# KiCad board ETH1CLCR2.kicad_pcb (continued)
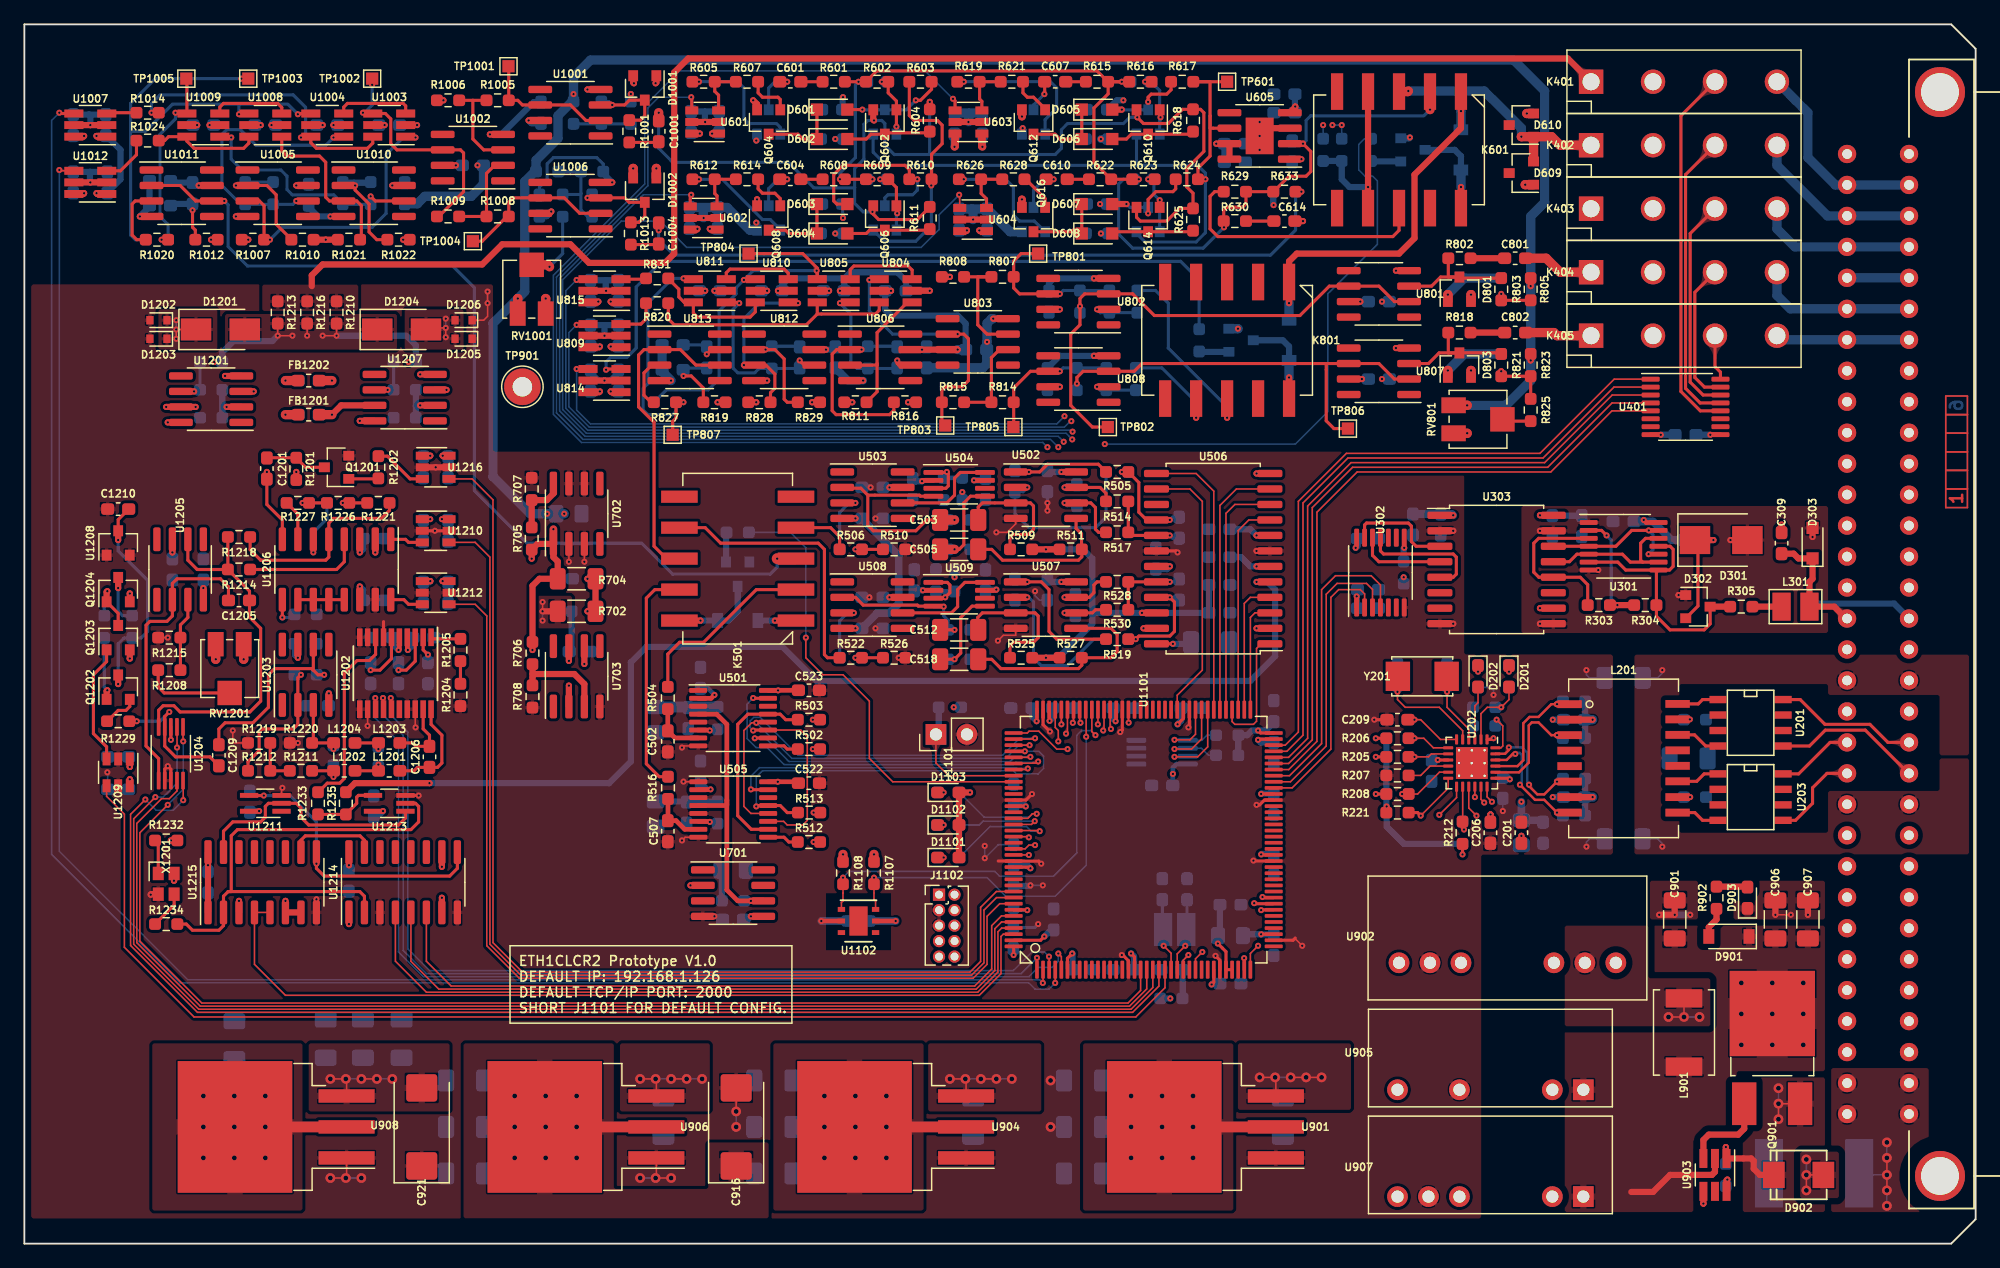
[diagram p0: board, top side]
## Nets (continued)
Net-(R1232-Pad2): R1232.2 X1201.1
Net-(R1233-Pad2): R1233.2 R1235.2 U1213.4
Net-(R1234-Pad1): R1234.1 U1213.2 U1214.2 U1215.2
Net-(R1234-Pad2): R1234.2 X1201.3
Net-(U302-Pad11): U302.11 U303.5
Net-(U302-Pad12): U302.12 U303.4
Net-(U302-Pad13): U302.13 U303.3
Net-(U503-Pad6): U503.6 U504.8
Net-(U508-Pad6): U508.6 U509.8
Net-(U804-Pad3): U804.3 U805.3
Net-(U810-Pad3): U810.3 U811.3
Net-(U1003-Pad3): U1003.3 U1004.3
Net-(U1008-Pad3): U1008.3 U1009.3
Net-(U1206-Pad10): U1206.10 U1206.11 U1206.12 U1206.13
Net-(U1211-Pad2): U1211.2 U1213.1 U1215.15
Net-(U1211-Pad4): U1211.4 U1214.9 U1215.9
Net-(U1214-Pad15): U1214.15 U1215.10

Pads without a net: D609 3; D610 3; J401 1 A1 A8 A9 A10 A11 A12 A13 A14 A15 A17 A19 A23 A24 A25 A26 A29 A30 C1 C8 C9 C10 C11 C12 C13 C14 C15 C17 C19 C23 C24 C25 C26 C29 C30; J1102 6 7 8 9; K501 5 6; K601 5 6 9; K801 2 3 4 5 6 9; L201 4 5 12 13; U201 2 3 6 7; U203 2 3 6 7; U302 5 6 9 10; U303 6 7 11; U401 6 7 10 11; U501 14; U503 1 5 8; U504 6; U505 14; U506 15; U508 1 5 8; U509 6; U605 5; U701 1 3 7 8; U702 4 5; U703 1 5 8; U801 1 5 8; U802 1 5 8; U803 1 5 8; U806 1 5 8; U807 1 5 8; U808 1 5 8; U812 1 5 8; U813 1 5 8; U902 3 8; U903 5; U1001 1 5 8; U1002 1 5 8; U1005 1 5 8; U1006 1 5 8; U1010 1 5 8; U1011 1 5 8; U1101 7 8 9 10 11 12 13 14 15 26 28 29 34 37 40 41 42 46 47 48 49 50 53 54 55 56 57 58 59 60 86 87 88 89 90 91 92 118 119 122 127 132 133 134; U1102 3 4 7; U1201 1 5; U1202 16; U1203 1 5 8; U1205 1 5 8; U1207 1 5; U1211 1; U1214 11 12 13 14; U1215 11 12 13 14

## Via types
v1: diameter 0.5, hole 0.2, Top to Bottom, 635 vias
v2: diameter 0.8, hole 0.4, Top to Bottom, 89 vias

## Routing (per net, layer and track width the routed paths; a pad name or vN(x,y) marks a point on that pad's centre or on a via; arc(x,y) is an arc through that point)
+1V5: length 11.4
  Top w0.508: R1007.2 v1(18.36,82.34) ; R828.2 v1(60.02,69.01) ; 44.65,44.05 v1(44.65,45.77) ; U703.6 v1(45.92,47.54) ; R1010.2 v1(24.71,82.34) R1021.2 ; R808.1 v1(75.89,79.29) ; R816.2 v1(72.46,69.01) ; R811.2 v1(67.89,69.01) ; R829.2 v1(64.59,69.01) ; R1006.1 v1(34.36,93.77) ; R1022.2 v1(31.06,82.34)
  Bottom w0.508: R535.2 v1(76.27,54.66) ; R533.2 v1(76.91,61.64)
+3.3VP: length 173
  Top w0.508: v1(41.66,48.69) R706.1 41.66,53.96 42.23,54.53 R704.1 43.73,55.95 43.38,56.31 U702.1 42.07,57.39 R705.1 v1(41.6,56.18) ; R823.1 v1(123.51,72.44) ; R805.1 v1(123.51,78.53)
  Top w0.634: U702.1 v1(43.38,58.59)
  Top w0.761: RV1001.1 40.45,77.51 v1(40.46,77.52) ; RV801.1 118.3,68.76 v1(118.31,68.75)
  Bottom w0.761: C705.1 41.47,59.86 38.42,62.91 38.42,75.48 v1(40.46,77.52) 41.03,78.09 41.03,87.1 41.85,87.93 R1018.1 41.96,88.86 43.76,90.66 43.76,92.51 44.91,93.67 R1004.1 v1(45.03,94.28) 45.03,95.68 46.43,97.07 122.12,97.07 124.66,94.53 124.66,85.39 123.51,84.25 v1(123.51,78.53) v1(123.51,72.44) 123.51,70.78 121.48,68.75 v1(118.31,68.75) ; C705.1 v1(42.87,59.86) ; C705.1 v1(44.27,59.86)
+3V3: length 143.5
  Top w0.127: U901.2 93.54,9.57 ; v1(42.49,51.86) v1(42.49,52.62)
  Top w0.254: v1(29.41,35.48) 29.39,35.46 U1213.5 ; v1(90.75,23.8) 91.03,23.51 U1101.17 ; U202.9 115.9,39.67 v1(115.9,39.67) ; v1(82.11,35.86) 82.09,35.88 U1101.121 ; U1101.95 89.53,42.9 v1(89.48,42.84) ; U1101.39 101.42,25.38 v1(101.41,25.37) ; v1(101.42,36.88) 101.42,36.88 U1101.62 ; U1101.131 82.4,30.88 v1(82.49,30.78) ; U1101.108 83.03,42.87 v1(83,42.84) ; v1(97.35,21.25) 97.53,21.43 U1101.30 ; U1204.8 12.01,41.33 v1(12.01,41.32) ; U1210.6 34.24,59.42 v1(34.23,59.42) ; v1(101.16,42.08) 101.37,41.88 U1101.72 ; U1101.6 85.53,23.4 v1(85.92,23.8) ; v1(19.25,35.48) 19.23,35.46 U1211.5 ; U1101.84 95.03,43.06 v1(94.56,42.59) ; R221.1 111.68,35.84 v1(111.7,35.86) ; U1101.143 83.32,24.88 v1(83.64,25.19) ; U1101.144 81.12,23.67 v1(81.11,23.67) ; v1(101.42,31.92) 101.46,31.88 U1101.52
  Top w0.381: U505.16 v1(61.78,37.88) 63.35,37.88 C522.1 ; R503.1 v1(64.65,42.97) ; C523.1 61.81,45.39 v1(61.8,45.37) U501.16 ; R502.1 v1(64.65,40.56) ; v1(30.68,48.69) 30.75,48.76 30.75,49.73 ; U302.1 v1(109.25,53.09) ; U1102.5 v1(71.44,26.46) ; R513.1 v1(64.71,35.35) ; R512.1 v1(64.71,32.94)
  Top w0.508: v1(8.64,38.08) U1209.6 ; v1(4.9,86.15) 4.84,86.09 4.06,86.09 ; U506.12 v1(101.04,63.17) ; U1214.7 v1(34.23,28.37) ; v1(47.19,73.58) 47.13,73.52 U809.6 ; R702.1 v1(42.49,51.86) ; R1232.1 v1(12.01,33.07) ; U814.6 47.13,69.83 v1(47.19,69.9) ; U1214.16 v1(26.61,31.03) ; v1(77.54,37) D1103.2 D1102.2 D1101.2 ; U1007.6 4.84,90.79 v1(4.9,90.85) ; v1(12.26,29.76) 12.28,29.78 X1201.4 ; U1214.1 v1(26.61,26.21) ; U601.6 v1(55.38,91.04) ; U1215.1 v1(15.06,31.03) U1215.16 ; v1(55.19,83.23) 55.13,83.17 54.6,83.17 ; U1212.6 v1(34.3,54.34) ; U815.6 47,77.2 v1(47.06,77.26) ; U1215.3 v1(17.6,28.11) ; U506.2 v1(101.04,50.47) ; U604.6 77.23,83.04 v1(77.29,83.1) ; U1215.7 U1215.6 v1(21.41,28.11) ; U1216.6 v1(34.3,64.62) ; 102.13,58.08 v1(101.04,58.08) ; U1214.10 v1(34.23,30.91) ; C201.1 v1(122.75,33.45) ; U506.6 v1(101.04,55.55)
  Top w0.634: v1(76.27,89.96) 76.31,90 U603.6
  Top w0.761: R1108.1 v1(67.13,31.92) ; R1107.1 v1(69.67,31.92)
  Top w0.889: U901.2 U901.2
  Bottom w0.127: v1(42.49,51.86) v1(42.49,51.1) ; C1223.1 v1(26.61,31.03)
  Bottom w0.254: v1(34.23,59.42) 34.65,59.42 C1230.1
  Bottom w0.381: C1108.1 94.17,38.52 v1(94.18,38.53) 94.18,39.03 94.47,39.33 U1103.8 ; C302.1 109.32,53.02 v1(109.25,53.09) 109.32,53.16 C301.1
  Bottom w0.508: v1(101.04,58.08) 100.53,58.59 C536.1 ; v1(47.06,77.26) 46.45,77.26 C819.1 ; R1110.1 R1109.1 100.27,41.7 100.66,42.08 v1(101.16,42.08) 101.8,42.08 102.45,42.73 C1117.1 ; v1(55.19,83.23) 54.58,83.23 C620.1 ; v1(55.38,91.04) 54.77,91.04 C621.1 ; FB1101.2 100.03,25.37 v1(101.41,25.37) 101.43,25.36 C1120.1 ; C1114.1 82.02,35.95 v1(82.11,35.86) ; v1(94.56,42.59) 94.86,42.89 C1118.1 ; v1(89.48,42.84) 89.27,43.06 C1110.1 ; C1113.1 84.17,25.73 v1(83.64,25.19) ; C820.1 46.45,73.58 v1(47.19,73.58) ; C1119.1 82.28,31 v1(82.49,30.78) ; C1106.1 101.45,31.96 v1(101.42,31.92) ; v1(97.35,21.25) 97.42,21.32 C1116.1 ; C202.1 115.87,39.64 v1(115.9,39.67) ; C1226.1 18.59,35.48 v1(19.25,35.48) ; C1232.1 8.64,37.34 v1(8.64,38.08) ; C622.1 76.68,83.1 v1(77.29,83.1) ; C1229.1 34.39,64.54 v1(34.3,64.62) ; v1(15.06,31.03) C1224.1 ; R301.1 v1(113.1,54.66) ; C1111.1 90.99,23.55 v1(90.75,23.8) ; v1(122.75,33.45) FB201.2 ; C1227.1 30.14,49.22 v1(30.68,48.69) ; C818.1 46.45,69.9 v1(47.19,69.9) ; v1(34.3,54.34) 34.65,54.34 C1228.1 ; C1018.1 4.03,86.15 v1(4.9,86.15) ; C1115.1 101.45,36.91 v1(101.42,36.88) ; R218.1 R217.1 R219.1 111.68,35.88 v1(111.7,35.86) 111.7,34.21 113.12,32.79 R220.1 ; C535.1 99.77,56.31 100.53,55.55 v1(101.04,55.55) ; v1(83,42.84) 82.61,43.24 C1121.1 ; R1104.1 v1(93.96,20.11) ; v1(85.92,23.8) 85.95,23.77 C1109.1 ; R1106.2 v1(76.21,43.99) ; v1(4.9,90.85) 4.03,90.85 C1019.1 ; v1(29.41,35.48) 28.93,35 C1225.1
  Bottom w0.634: C1107.1 v1(71.44,26.46) ; v1(76.27,89.96) C619.1
  vias: v2(90.75,12.11) v2(90.75,9.57) v2(90.75,7.03) v2(93.29,12.11) v2(93.29,9.57) v2(93.29,7.03) v2(95.83,12.11) v2(95.83,9.57) v2(95.83,7.03)
+4V: length 23.9
  Top w0.381: 57.6,36.37 57.6,35.99 57.55,35.93 U505.4 ; 57.6,36.37 57.6,42.59 56.77,43.42 U501.4 ; 57.6,36.37 57.6,29 58.49,28.11 U701.6
  Top w0.508: U701.6 v1(59.57,28.11)
  Bottom w0.508: v1(59.57,28.11) R701.1
+5V: length 84.5
  Top w0.254: v1(33.28,59.42) 33.28,59.42 U1210.1 ; U302.14 109.25,57.15 v1(109.16,57.07)
  Top w0.381: v1(138.25,66.34) 138.26,66.35 U401.9 ; U505.2 56.24,37.23 v1(56.27,37.26) ; v1(56.59,45) 56.31,44.72 U501.2
  Top w0.508: U1216.1 v1(33.28,64.62) ; v1(5.91,90.85) 5.97,90.79 U1007.1 ; v1(48.08,69.9) 48.14,69.83 U814.1 ; U602.1 56.27,83.17 v1(56.2,83.23) ; v1(8.64,39.1) U1209.1 ; U303.1 v1(117.16,59.74) ; U506.19 v1(93.92,55.55) ; U809.1 48.14,73.52 v1(48.08,73.58) ; v1(103.7,77.13) K801.1 103.7,80.56 104.34,81.2 112.72,81.2 113.99,82.47 113.99,87.68 117.8,91.49 v1(117.8,92.88) K601.1 ; U701.2 v1(54.62,29.38) ; 6.75,86.09 5.97,86.09 v1(5.91,86.15) ; U815.1 48.14,77.2 v1(48.08,77.26) ; v1(78.3,83.1) 78.36,83.04 78.9,83.04 ; U1212.1 v1(33.28,54.34) ; K501.1 v1(61.54,51.1) ; U601.1 v1(56.39,91.04)
  Top w0.634: U603.1 78.51,90 v1(78.56,89.96)
  Top w0.889: U904.2 U904.2
  Bottom w0.254: v1(33.28,59.42) 32.8,59.42 C1221.1
  Bottom w0.381: C520.1 56.05,45.54 v1(56.59,45) ; C521.1 56.04,37.26 v1(56.27,37.26)
  Bottom w0.508: 48.74,77.26 C821.1 48.69,77.26 v1(48.08,77.26) ; v1(33.28,54.34) 33.2,54.25 C1220.1 ; v1(78.3,83.1) 78.91,83.1 C617.1 ; v1(56.2,83.23) 56.81,83.23 C618.1 ; v1(48.08,69.9) 48.69,69.9 C823.1 ; v1(5.91,86.15) 6.78,86.15 C1016.1 6.8,86.22 7.88,87.3 7.88,89.71 6.71,90.88 C1017.1 6.65,90.85 v1(5.91,90.85) ; C401.1 v1(138.25,66.34) ; v1(8.64,39.1) 8.64,39.84 C1231.1 ; C616.1 56.88,91.04 v1(56.39,91.04) ; v1(61.54,51.1) D501.1 ; C534.1 93.7,55.32 v1(93.92,55.55) ; C822.1 48.69,73.58 v1(48.08,73.58) ; C303.1 109.32,57.22 v1(109.16,57.07) ; C1222.1 33.19,64.54 v1(33.28,64.62)
  Bottom w0.634: v1(117.16,59.74) 117.06,59.84 C305.1 C304.1 ; C615.1 v1(78.56,89.96)
  Bottom w0.761: D611.1 v1(117.8,92.88) ; 103.7,75.74 v1(103.7,77.13)
  vias: v2(65.6,12.11) v2(65.6,9.57) v2(65.6,7.03) v2(68.14,12.11) v2(68.14,9.57) v2(68.14,7.03) v2(70.68,12.11) v2(70.68,9.57) v2(70.68,7.03)
+5V_TRIG: length 12.3
  Top w0.381: v1(132.79,59.36) 133,59.15 U301.14
  Top w0.508: U303.10 v1(124.28,52.12) ; U303.16 v1(124.28,59.74)
  Bottom w0.381: v1(132.79,59.36) 132.66,59.23 C306.1
  Bottom w0.508: C307.1 C308.1 125.27,59.74 v1(124.28,59.74)
  Bottom w0.634: C306.1 133.55,59.23 135.07,57.7 R302.1
+5VA: length 98.2
  Top w0.127: v1(12.45,74.21) v1(12.45,74.98) D1201.1
  Top w0.381: U504.2 73.68,62.6 v1(73.6,62.53) ; U1202.4 31.4,48.73 v1(31.44,48.69) ; v1(73.67,53.58) U509.2
  Top w0.508: U808.7 v1(84.91,70.28) ; U1010.7 v1(30.17,86.79) ; U1005.7 v1(22.3,86.79) ; R819.2 v1(56.84,69.01) ; U805.5 v1(65.98,78.15) ; Q608.2 60.08,85.64 v1(60.08,85.64) ; R1012.2 v1(15.31,82.34) ; U1003.5 v1(29.53,91.74) ; v1(76.53,73.33) U803.7 U806.7 v1(73.6,73.33) ; U810.5 v1(60.9,78.15) ; U1008.5 v1(19.38,91.74) ; U801.7 v1(109.54,77.26) ; U804.5 v1(71.06,78.15) ; v1(59.76,93.77) 60.08,93.45 Q604.2 ; U507.8 v1(85.03,54.28) ; U1206.14 v1(27.5,53.89) ; U1004.5 v1(24.45,91.74) ; U1207.8 v1(27.5,67.48) ; U1206.2 v1(28.77,56.69) ; U1205.7 v1(12.14,56.69) ; U503.7 v1(70.94,62.02) ; U1203.7 v1(22.42,48.05) ; v1(43.2,84.65) 43.06,84.5 42.3,84.5 ; D1001.2 49.92,95.23 v1(49.98,95.17) ; U811.5 v1(55.82,78.15) ; U807.7 v1(109.67,70.91) ; Q1203.2 v1(8.64,47.99) ; U1001.7 v1(41.35,92.12) ; U1009.5 v1(14.17,91.74) ; U1002.7 v1(35.38,88.44) ; v1(97.73,90.22) U605.7 U605.8 ; U812.7 v1(65.73,73.33) ; R1201.1 v1(22.3,63.29) ; U802.7 v1(84.91,76.63) ; 72.01,53 v1(70.94,53) ; U502.8 v1(85.03,63.29) ; U1201.8 v1(11.75,67.36)
  Top w0.634: Q612.2 v1(81.8,92.44) ; Q616.2 81.8,85.64 v1(81.8,85.64)
  Top w0.761: D1002.2 v1(49.92,88.18) ; D803.2 v1(118.62,71.61) ; v1(118.62,77.84) D801.2 ; v1(21.41,67.99) FB1201.1 ; RV1201.1 17.98,47.93 v1(17.98,47.92)
  Top w0.889: U906.2 U906.2
  Bottom w0.127: v1(12.45,74.98) v1(12.45,75.74)
  Bottom w0.254: v1(65.98,78.15) C815.1 ; v1(60.9,78.15) C811.1 ; v1(55.82,78.15) C817.1
  Bottom w0.508: C526.1 73.01,53.58 v1(73.67,53.58) ; v1(29.53,91.74) C1007.1 ; v1(30.17,86.79) 30.96,86.79 C1013.1 ; v1(84.91,76.63) 84.25,76.63 C809.1 ; C1214.1 27.78,53.61 v1(27.5,53.89) ; C528.1 v1(70.94,62.02) ; v1(85.03,63.29) 83.99,63.29 C524.1 ; v1(43.2,84.65) 42.83,84.27 C1009.1 ; C810.1 84.12,70.28 v1(84.91,70.28) ; C1212.1 22.2,48.28 v1(22.42,48.05) ; v1(24.45,91.74) C1008.1 ; C813.1 77.19,75.46 76.53,76.12 71.06,76.12 70.58,76.6 C814.1 v1(71.06,78.15) ; C808.1 v1(109.54,77.26) ; C1015.1 41.57,91.89 v1(41.35,92.12) ; v1(97.73,90.22) C623.1 C625.1 ; v1(19.38,91.74) C1012.1 ; v1(12.14,56.69) C1213.1 ; v1(14.17,91.74) C1011.1 ; C527.1 84.12,54.28 v1(85.03,54.28) ; v1(22.3,86.79) 23.21,86.79 C1010.1 ; C816.1 73.76,73.33 v1(73.6,73.33) ; v1(109.67,70.91) C807.1 ; v1(73.6,62.53) 73.07,62.53 C525.1 ; C812.1 66.26,73.33 v1(65.73,73.33) ; v1(70.94,53) C529.1 ; C1014.1 v1(35.38,88.44) ; v1(31.44,48.69) 31.85,49.09 C1211.1
  Bottom w0.761: C1215.1 v1(21.41,67.99) ; C813.1 v1(76.53,73.33)
  vias: v2(40.2,12.11) v2(40.2,9.57) v2(40.2,7.03) v2(42.74,12.11) v2(42.74,9.57) v2(42.74,7.03) v2(45.28,12.11) v2(45.28,9.57) v2(45.28,7.03)
+24V: length 7.5
  Top w0.127: v2(152.72,7.03) v2(152.72,5.63) v2(152.72,4.36)
  Bottom w0.127: 150.46,5.63 v2(152.72,5.63) ; v2(152.72,7.03) v2(152.72,8.3) ; v2(152.72,4.36) v2(152.72,3.09)
-5VA: length 43.6
  Top w0.127: v1(34.55,74.34) v1(34.55,75.1) 32.93,75.1 ; v2(25.09,13.51) v2(26.36,13.51) 26.42,13.45 U908.3 ; v2(27.63,13.51) v2(28.9,13.51)
  Top w0.381: v1(79.7,53.64) 79.64,53.58 U509.7 ; U504.7 v1(77.87,62.6)
  Top w0.508: U508.4 v1(68.14,50.47) ; U503.4 v1(68.14,59.48) ; v1(8.64,53.32) Q1204.2 ; U1205.4 v1(14.68,53.77) ; v1(104.21,93.26) 104.21,93.2 U605.4 ; U1203.4 v1(24.96,45.13) ; U1206.3 v1(27.5,56.69)
  Top w0.761: RV1201.3 15.69,47.93 v1(15.69,47.92) ; FB1202.1 v1(21.41,70.78)
  Bottom w0.127: v1(34.55,75.1) v1(34.55,75.86) ; v2(26.36,13.51) v2(27.63,13.51) ; v2(28.9,13.51) v2(30.17,13.51)
  Bottom w0.508: R627.2 v1(88.27,82.85) ; v1(77.87,62.6) 78.65,62.6 C530.1 ; C626.1 104.18,93.29 v1(104.21,93.26) 104.18,93.24 C624.1 104.15,92.72 ; v1(24.96,45.13) 24.96,44.14 C1216.1 ; v1(68.14,59.48) C533.1 ; v1(14.68,53.77) C1217.1 ; C1218.1 27.78,56.97 v1(27.5,56.69) ; v1(79.7,53.64) 78.91,53.64 C532.1 ; v1(66.49,90.6) R606.2 67.06,90.6 ; R613.2 v1(66.49,82.85) ; v1(68.14,50.47) C531.1
  Bottom w0.634: C533.1 68.68,59.46 71.7,56.43 71.7,52.5 70.94,51.73 69.95,51.73 C531.1 ; R620.2 v1(88.27,90.6)
  Bottom w0.761: C1219.1 v1(21.41,70.78)
GND: length 301.2
  Top w0.127: 104.21,25.06 104.21,25 v1(104.78,24.43) ; U501.8 54.06,40.82 v1(53.92,40.69) ; R1220.2 v1(22.42,41.07) ; U908.1 26.42,5.44 v2(26.36,5.38) v2(25.09,5.38) ; 55.26,33.33 54.18,33.33 v1(53.92,33.07) ; v2(53.03,5.38) v2(51.76,5.38) 51.82,5.44 U906.1 ; U1202.18 32.05,42.36 v1(32.08,42.34) ; U702.3 v1(45.92,55.93) ; v1(79.7,58.34) 80.59,58.34 81.29,59.04 81.29,59.48 ; U1211.3 21.09,37.32 v1(21.15,37.38) ; U1202.12 28.15,42.47 v1(28.14,42.46) ; U505.1 54.06,37.88 v1(54.05,37.89) ; U701.4 v1(56.59,26.84) ; R510.1 v1(72.84,56.94) ; 81.29,50.47 81.29,49.89 80.27,49.89 v1(79.83,49.45) ; U702.2 v1(44.65,55.93) ; D1206.1 37.66,75.74 37.98,76.06 v1(37.98,77.13) v1(37.98,78.09) ; v1(17.09,42.08) 17.09,41.07 R1219.2 ; R1215.2 v1(11.75,49.7) ; C916.2 v2(58.36,10.84)
  Top w0.254: v1(97.67,23.6) 98.03,23.24 U1101.31 ; U1210.2 v1(33.66,58.47) U1210.5 ; v1(83.89,60.75) v1(83.89,60.12) ; U1101.38 104.03,24.88 104.21,25.06 ; U1101.83 95.53,42.42 v1(95.45,42.34) ; U1204.3 12.01,38.91 v1(11.75,39.16) 11.51,38.92 U1204.2 ; v1(82.62,36.88) 82.13,36.38 U1101.120 ; U1101.94 90.03,42.13 v1(89.86,41.96) ; U1101.61 101.68,36.38 101.29,35.99 v1(101.04,35.99) ; 79.86,31.38 U1101.130 81.13,31.37 83.17,31.37 v1(83.38,31.16) ; U1101.107 83.53,42.56 v1(84.09,42) ; U1215.8 v1(23.95,28.24) ; U1010.4 v1(25.09,84.25) ; C209.2 v1(110.69,42.97) ; U813.4 v1(53.03,70.78) ; U1003.2 v1(32.2,91.74) ; v1(32.33,36.75) 32.31,36.76 U1213.3 ; U1101.16 90.53,23.2 90.07,23.67 v1(89.99,23.67) ; 29.45,49.73 29.45,51.01 ; U1101.51 100.82,31.38 v1(100.78,31.42) ; v1(94.56,56.69) 94.43,56.81 U506.18
  Top w0.381: v1(134.18,66.34) 134.17,66.35 U401.8 ; U1102.2 v1(65.35,26.46)
  Top w0.508: U1012.5 v1(5.41,87.04) U1012.2 ; U801.4 v1(112.47,79.8) ; 54.6,84.12 v1(55.7,84.12) U602.2 ; 78.9,83.99 v1(77.79,83.99) U604.5 ; U812.4 v1(60.9,70.78) ; U1216.2 v1(33.73,63.67) U1216.5 ; 80.65,75.86 v1(79.45,75.86) ; U809.5 v1(47.57,74.47) U809.2 ; X1201.2 10.4,28.66 v1(10.36,28.62) ; U806.4 v1(68.78,70.78) ; U601.5 v1(55.82,91.99) U601.2 ; U1009.2 v1(15.18,91.74) ; U1007.2 v1(5.41,91.74) U1007.5 ; 47.25,87.04 v1(48.2,87.04) ; v1(74.24,78.15) U804.2 ; v1(51.76,95.17) 51.82,95.23 D1001.1 ; U1004.2 v1(25.34,91.74) ; U1011.4 v1(9.47,84.25) ; U506.23 v1(91.76,50.47) ; U815.5 v1(47.7,78.15) U815.2 ; U506.7 v1(101.04,56.81) ; U605.3 101.93,91.49 v1(101.29,90.85) v1(101.29,91.99) ; U303.2 v1(117.16,58.47) ; U814.5 v1(47.57,70.78) U814.2 ; 67.72,78.15 v1(66.87,78.15) ; 62.64,78.15 v1(61.79,78.15) ; U303.8 v1(117.16,50.85) ; U1008.2 v1(20.26,91.74) ; U808.4 v1(87.7,72.82) ; U1002.4 v1(38.17,90.98) ; U1001.4 v1(46.17,94.66) ; R526.1 v1(71.7,48.05) ; C614.2 v1(104.85,83.87) ; U807.4 v1(112.47,73.45) ; U802.4 v1(87.7,79.17) ; 57.56,78.15 v1(56.59,78.15) ; U603.5 v1(77.41,91.99) U603.2 ; 18.3,84.25 v1(17.34,84.25)
  Top w0.761: RV1001.3 42.75,77.51 v1(42.74,77.52) ; v1(116.72,77.84) D801.1 ; v1(118.31,66.47) 118.3,66.46 RV801.3 ; D803.1 v1(116.72,71.61) ; D1002.1 v1(51.82,88.18) ; D610.2 v1(123.2,92.69) ; D609.1 v1(123.07,86.85)
  Bottom w0.127: v2(26.36,5.38) v2(27.63,5.38) ; C903.2 v2(84.14,13.38) ; v1(128.09,47.04) 128.09,46.66 128.34,46.4 C212.2 ; v1(120.47,45) 120.47,45.39 120.24,45.62 R215.2 ; v1(82.49,29.38) v1(83.51,29.38) ; R631.2 v1(106.5,91.74) ; C1232.2 6.83,38.63 v1(6.8,38.65) ; v1(82.88,53.51) 82.88,53.13 83.23,52.78 C527.2 ; R216.2 128.34,33.19 128.09,32.94 v1(128.09,32.56) ; v2(51.76,5.38) v2(50.49,5.38) ; v1(37.98,78.09) v1(37.98,77.13) ; R632.2 v1(108.02,91.74) v1(107.26,91.74) ; v1(78.75,32.62) v1(78.75,31.61) 79.86,32.72 C1119.2 ; C203.2 v1(121.23,35.48) ; C904.2 v2(84.15,9.57) ; v2(58.36,10.84) v2(58.36,9.57)
  Bottom w0.254: C606.2 67.1,84.15 v1(67.13,84.12) ; C1009.2 42.23,86.66 42.87,87.3 42.87,88.56 43.38,89.07 46.93,89.07 47.47,88.54 R1017.2 ; C524.2 v1(83.89,60.75) ; C209.2 v1(110.69,42.97) ; v1(83.13,26.21) 82.85,25.93 C1112.2
  Bottom w0.508: 47.47,75.33 C822.2 ; 47.47,75.33 47.57,75.23 v1(47.57,74.47) ; 47.47,75.33 C820.2 ; C609.2 89.58,93.77 v1(90.11,93.77) ; Q617.2 113.54,90.66 v1(113.61,90.72) ; R1017.2 47.47,87.78 v1(48.2,87.04) ; C210.2 v1(125.33,36.62) ; C809.2 84.02,78.79 84.4,79.17 v1(87.7,79.17) ; C528.2 v1(69.39,62.02) ; 5.38,87.9 C1016.2 ; 5.38,87.9 C1018.2 ; 5.38,87.9 5.38,87.07 v1(5.41,87.04) ; C619.2 C615.2 ; C533.2 v1(69.79,59.48) ; C618.2 C620.2 ; v1(60.01,83.74) 60.08,83.67 Q607.2 ; C1017.2 5.3,92.6 ; 5.3,92.6 5.41,92.5 v1(5.41,91.74) ; 5.3,92.6 C1019.2 ; C1014.2 v1(37.16,88.44) ; v1(81.86,91.49) 81.8,91.42 Q611.2 ; C612.2 v1(88.21,85.26) ; C807.2 v1(111.32,70.91) ; C810.2 83.89,71.8 84.91,72.82 v1(87.7,72.82) ; C808.2 v1(111.32,77.26) ; C529.2 v1(69.29,53) ; C401.2 v1(134.18,66.34) ; C1015.2 41.76,93.62 39.12,90.98 v1(38.17,90.98) ; C603.2 67.1,94 v1(67.13,94.03) ; v1(9.47,84.25) 10.26,85.04 C1003.1 C1005.1 ; C1010.2 23.31,85.01 24.07,84.25 v1(25.09,84.25) ; v1(15.18,91.74) C1011.2 ; v1(74.24,78.15) C814.2 72.31,78.94 71.58,79.67 67.76,79.67 67.23,79.14 C815.2 67.23,79.07 67.13,79.17 62.68,79.17 62.15,78.63 C811.2 ; R634.2 102.41,85.2 v1(102.43,85.18) ; 47.67,79.01 47.67,78.18 v1(47.7,78.15) ; 47.67,79.01 C819.2 ; 47.67,79.01 C821.2 ; C823.2 48.71,71.42 48.08,70.78 v1(47.57,70.78) 47.06,70.78 46.43,71.42 C818.2 ; C621.2 55.8,92.86 ; 55.8,92.86 55.8,92.02 v1(55.82,91.99) ; 55.8,92.86 C616.2 ; v1(60.02,90.47) 60.08,90.54 Q603.2 ; C531.2 v1(69.79,50.47) ; C207.2 v1(125.33,42.97) ; R1105.2 82.45,29.34 v1(82.49,29.38) ; C813.2 78.91,73.93 ; v1(20.26,91.74) C1012.2 ; R1003.2 v1(49.73,94.29) ; v1(25.34,91.74) C1008.2 ; C1007.2 v1(32.2,91.74)
  Bottom w0.634: v1(68.78,70.78) 67.53,70.78 C812.2 ; C1107.2 v1(65.35,26.46)
  Bottom w0.761: R822.2 118.08,72.97 v1(116.72,71.61) ; C620.2 C618.2 57.63,84.98 59.49,83.12 Q607.2 ; 77.69,84.86 C622.2 ; 77.69,84.86 77.79,84.75 v1(77.79,83.99) ; 77.69,84.86 C617.2 78.96,84.86 80.83,82.99 Q615.2 ; R804.2 118.08,79.19 v1(116.72,77.84) ; v1(53.03,70.78) 52.29,71.52 C804.1 C805.1 ; C1014.2 37.64,86.89 36.65,85.9 32.84,85.9 32.23,85.29 C1013.2 ; 77.44,92.73 77.44,92.02 ; v1(79.45,75.86) 79.32,75.86 78.94,75.48 v1(78.94,73.96) 78.91,73.93 78.91,72.79 ; 78.91,72.79 78.91,72.16 78.58,71.83 C816.2 ; 78.91,72.79 C813.2 ; 55.67,84.98 55.67,84.15 ; Q801.2 99.51,75.04 v1(99.51,75.04) ; C619.2 C615.2
  vias: v1(101.29,89.71)
GND_TRIG: length 14.2
  Top w0.254: U301.7 v1(129.06,55.25)
  Top w0.508: D301.2 v1(139.9,57.7) ; U303.15 v1(124.28,58.47) ; v1(135.65,53.19) D302.1 ; D303.2 v1(146.63,57.96) ; U303.9 v1(124.28,50.85)
  Bottom w0.508: J401.C16 153.31,52.5 146.63,52.5 146.53,52.4
GNDPWR: length 12.3
  Top w0.127: D902.2 v2(146.12,5.63) v2(146.12,4.36) ; v1(143.58,26.97) v1(144.85,26.97)
  Top w0.508: C907.2 v1(146.25,26.97) ; U903.4 v1(137.68,3.28) ; C901.2 v1(135.33,26.97) v1(134.06,26.97) ; C906.2 v1(143.58,26.97)
  Bottom w0.127: v2(146.12,5.63) v2(146.12,6.9)
  Bottom w0.508: v1(135.33,26.97) v1(136.6,26.97)
VCCQ: length 18.3
  Top w0.254: U202.1 120.37,41.35 v1(120.47,41.45) ; v1(121.8,38.08) 121.72,38.17 U202.19
  Top w0.508: C206.1 120.21,35.19 v1(120.22,35.2) ; L201.2 v1(128.59,42.97) ; L201.7 v1(128.59,36.62)
  Bottom w0.254: 120.47,41.45 v1(120.47,41.45)
  Bottom w0.508: R204.1 127.98,36.57 C210.1 127.98,36.67 R203.1 ; C203.1 121.64,38.25 v1(121.8,38.08) ; R201.1 127.98,43.02 C207.1 127.98,42.92 R202.1 ; v1(120.22,35.2) 120.21,35.19 C206.1
  Bottom w0.634: v1(122.75,36.24) FB201.1 124.37,34.73 C204.1
  Bottom w0.761: C210.1 v1(128.59,36.62) ; C207.1 v1(128.59,42.97)
(no net): length 237.7
  Top w0.127: 159.33,63.42 157.55,63.42 159.33,63.42 ; 159.33,64.94 157.55,64.94 159.33,64.94 ; 157.55,61.89 159.33,61.89 157.55,61.89 ; 159.33,66.47 157.55,66.47 159.33,66.47 ; 159.33,67.99 157.55,67.99 159.33,67.99 ; 159.33,69.52 157.55,69.52 157.55,60.37 159.33,60.37 159.33,69.52
  In1.Cu w0.127: 159.33,66.47 157.55,66.47 159.33,66.47 ; 157.55,64.94 159.33,64.94 157.55,64.94 ; 159.33,60.37 159.33,69.52 157.55,69.52 157.55,60.37 159.33,60.37 ; 157.55,63.42 159.33,63.42 157.55,63.42 ; 159.33,61.89 157.55,61.89 159.33,61.89 ; 159.33,67.99 157.55,67.99 159.33,67.99
  In2.Cu w0.127: 159.33,60.37 159.33,69.52 157.55,69.52 157.55,60.37 159.33,60.37 ; 159.33,66.47 157.55,66.47 159.33,66.47 ; 159.33,64.94 157.55,64.94 159.33,64.94 ; 157.55,63.42 159.33,63.42 157.55,63.42 ; 159.33,61.89 157.55,61.89 159.33,61.89 ; 159.33,67.99 157.55,67.99 159.33,67.99
  In3.Cu w0.127: 159.33,60.37 159.33,69.52 157.55,69.52 157.55,60.37 159.33,60.37 ; 159.33,66.47 157.55,66.47 159.33,66.47 ; 159.33,64.94 157.55,64.94 159.33,64.94 ; 157.55,63.42 159.33,63.42 157.55,63.42 ; 159.33,61.89 157.55,61.89 159.33,61.89 ; 159.33,67.99 157.55,67.99 159.33,67.99
  In4.Cu w0.127: 159.33,60.37 159.33,69.52 157.55,69.52 157.55,60.37 159.33,60.37 ; 159.33,66.47 157.55,66.47 159.33,66.47 ; 159.33,64.94 157.55,64.94 159.33,64.94 ; 157.55,63.42 159.33,63.42 157.55,63.42 ; 159.33,61.89 157.55,61.89 159.33,61.89 ; 159.33,67.99 157.55,67.99 159.33,67.99
  Bottom w0.127: 159.33,60.37 159.33,69.52 157.55,69.52 157.55,60.37 159.33,60.37 ; 159.33,66.47 157.55,66.47 159.33,66.47 ; 159.33,64.94 157.55,64.94 159.33,64.94 ; 157.55,63.42 159.33,63.42 157.55,63.42 ; 159.33,61.89 157.55,61.89 159.33,61.89 ; 159.33,67.99 157.55,67.99 159.33,67.99
/ADC/ADC1_IIN: length 15.4
  Top w0.254: K501.2 60.02,53.64 55.7,49.32 53.73,49.32 52.76,48.35 R504.2
/ADC/ADC1_MISO: length 33.8
  Top w0.127: U1101.112 v1(82.04,40.38)
  Top w0.254: R513.2 62.56,35.35 61.98,35.93 U505.13 60.09,35.93 v1(60.02,35.86)
  Bottom w0.127: v1(60.02,35.86) 60.02,38.27 60.52,38.78 81.1,38.78 81.35,38.53 83.13,38.53 83.57,38.97 83.57,39.99 83.18,40.38 v1(82.04,40.38)
/ADC/ADC1_MOSI: length 26
  Top w0.127: U1101.113 82.45,39.88 v1(82.49,39.92)
  Top w0.254: U501.10 59.91,41.47 v1(59.89,41.45)
  Bottom w0.127: v1(59.89,41.45) 60.78,41.45 62.68,39.54 80.84,39.54 81.22,39.92 v1(82.49,39.92)
/ADC/ADC1_RVS1: length 31.7
  Top w0.127: v1(83.13,39.54) 82.99,39.41 81.15,39.41 U1101.114
  Top w0.254: v1(59.76,44.75) 59.79,44.72 U501.15
  Bottom w0.127: v1(59.76,44.75) 59.26,44.25 59.26,41.43 60,40.69 60.9,40.69 62.3,39.29 81.1,39.29 81.29,39.48 83.07,39.48 v1(83.13,39.54)
/ADC/ADC1_RVS2: length 26.7
  Top w0.127: U1101.115 82.19,38.88 v1(82.28,38.97)
  Top w0.254: U505.15 59.6,37.23 v1(59.57,37.26)
  Bottom w0.127: v1(82.28,38.97) 81.41,38.97 81.34,39.03 60.27,39.03 59.57,38.34 v1(59.57,37.26)
/ADC/ADC1_SCLK: length 36.1
  Top w0.127: U1101.111 v1(82.43,40.88) ; v1(60.02,42.72) 59.63,42.72 59,42.08 59,35.86 59.58,35.28 U505.12
  Top w0.254: v1(60.02,42.72) 60.07,42.77 U501.12
  Bottom w0.127: v1(60.02,42.72) 62.94,39.8 80.46,39.8 81.54,40.88 v1(82.43,40.88)
/ADC/ADC1_VIN: length 18.8
  Top w0.254: R516.2 52.05,38.3 51,39.35 51,52.94 51.7,53.64 K501.9
/ADC/ADC1_~{CS}: length 43.1
  Top w0.127: v1(82.88,41.45) 82.81,41.38 U1101.110 ; U505.11 62.26,34.63 62.56,34.34 63.83,34.34 64.2,34.71 64.2,41.58 63.66,42.12 U501.11
  Top w0.254: U501.11 59.8,42.12 v1(59.76,42.08)
  Bottom w0.127: v1(59.76,42.08) 59.51,42.33 59.51,42.87 59.8,43.16 60.34,43.16 63.44,40.05 80.21,40.05 81.6,41.45 v1(82.88,41.45)
/ADC/ADC2_IIN: length 4.9
  Top w0.254: K501.4 66.11,58.72 66.85,57.98 R506.2
/ADC/ADC2_LRCK: length 9.3
  Top w0.127: U506.3 100.91,51.73 100.53,51.36 U1101.73
/ADC/ADC2_M0: length 23.2
  Top w0.127: U506.13 96.08,63.17 97.53,61.72 U1101.79
/ADC/ADC2_M1: length 22.1
  Top w0.127: U506.14 95.57,61.89 96.59,60.88 96.59,47.04 94.53,44.98 U1101.85
/ADC/ADC2_MDIV: length 20
  Top w0.127: U506.10 99.26,60.62 98.53,59.9 U1101.77
